# Altium PCB drac_v3.PcbDoc (part 1 of 5) (continued)
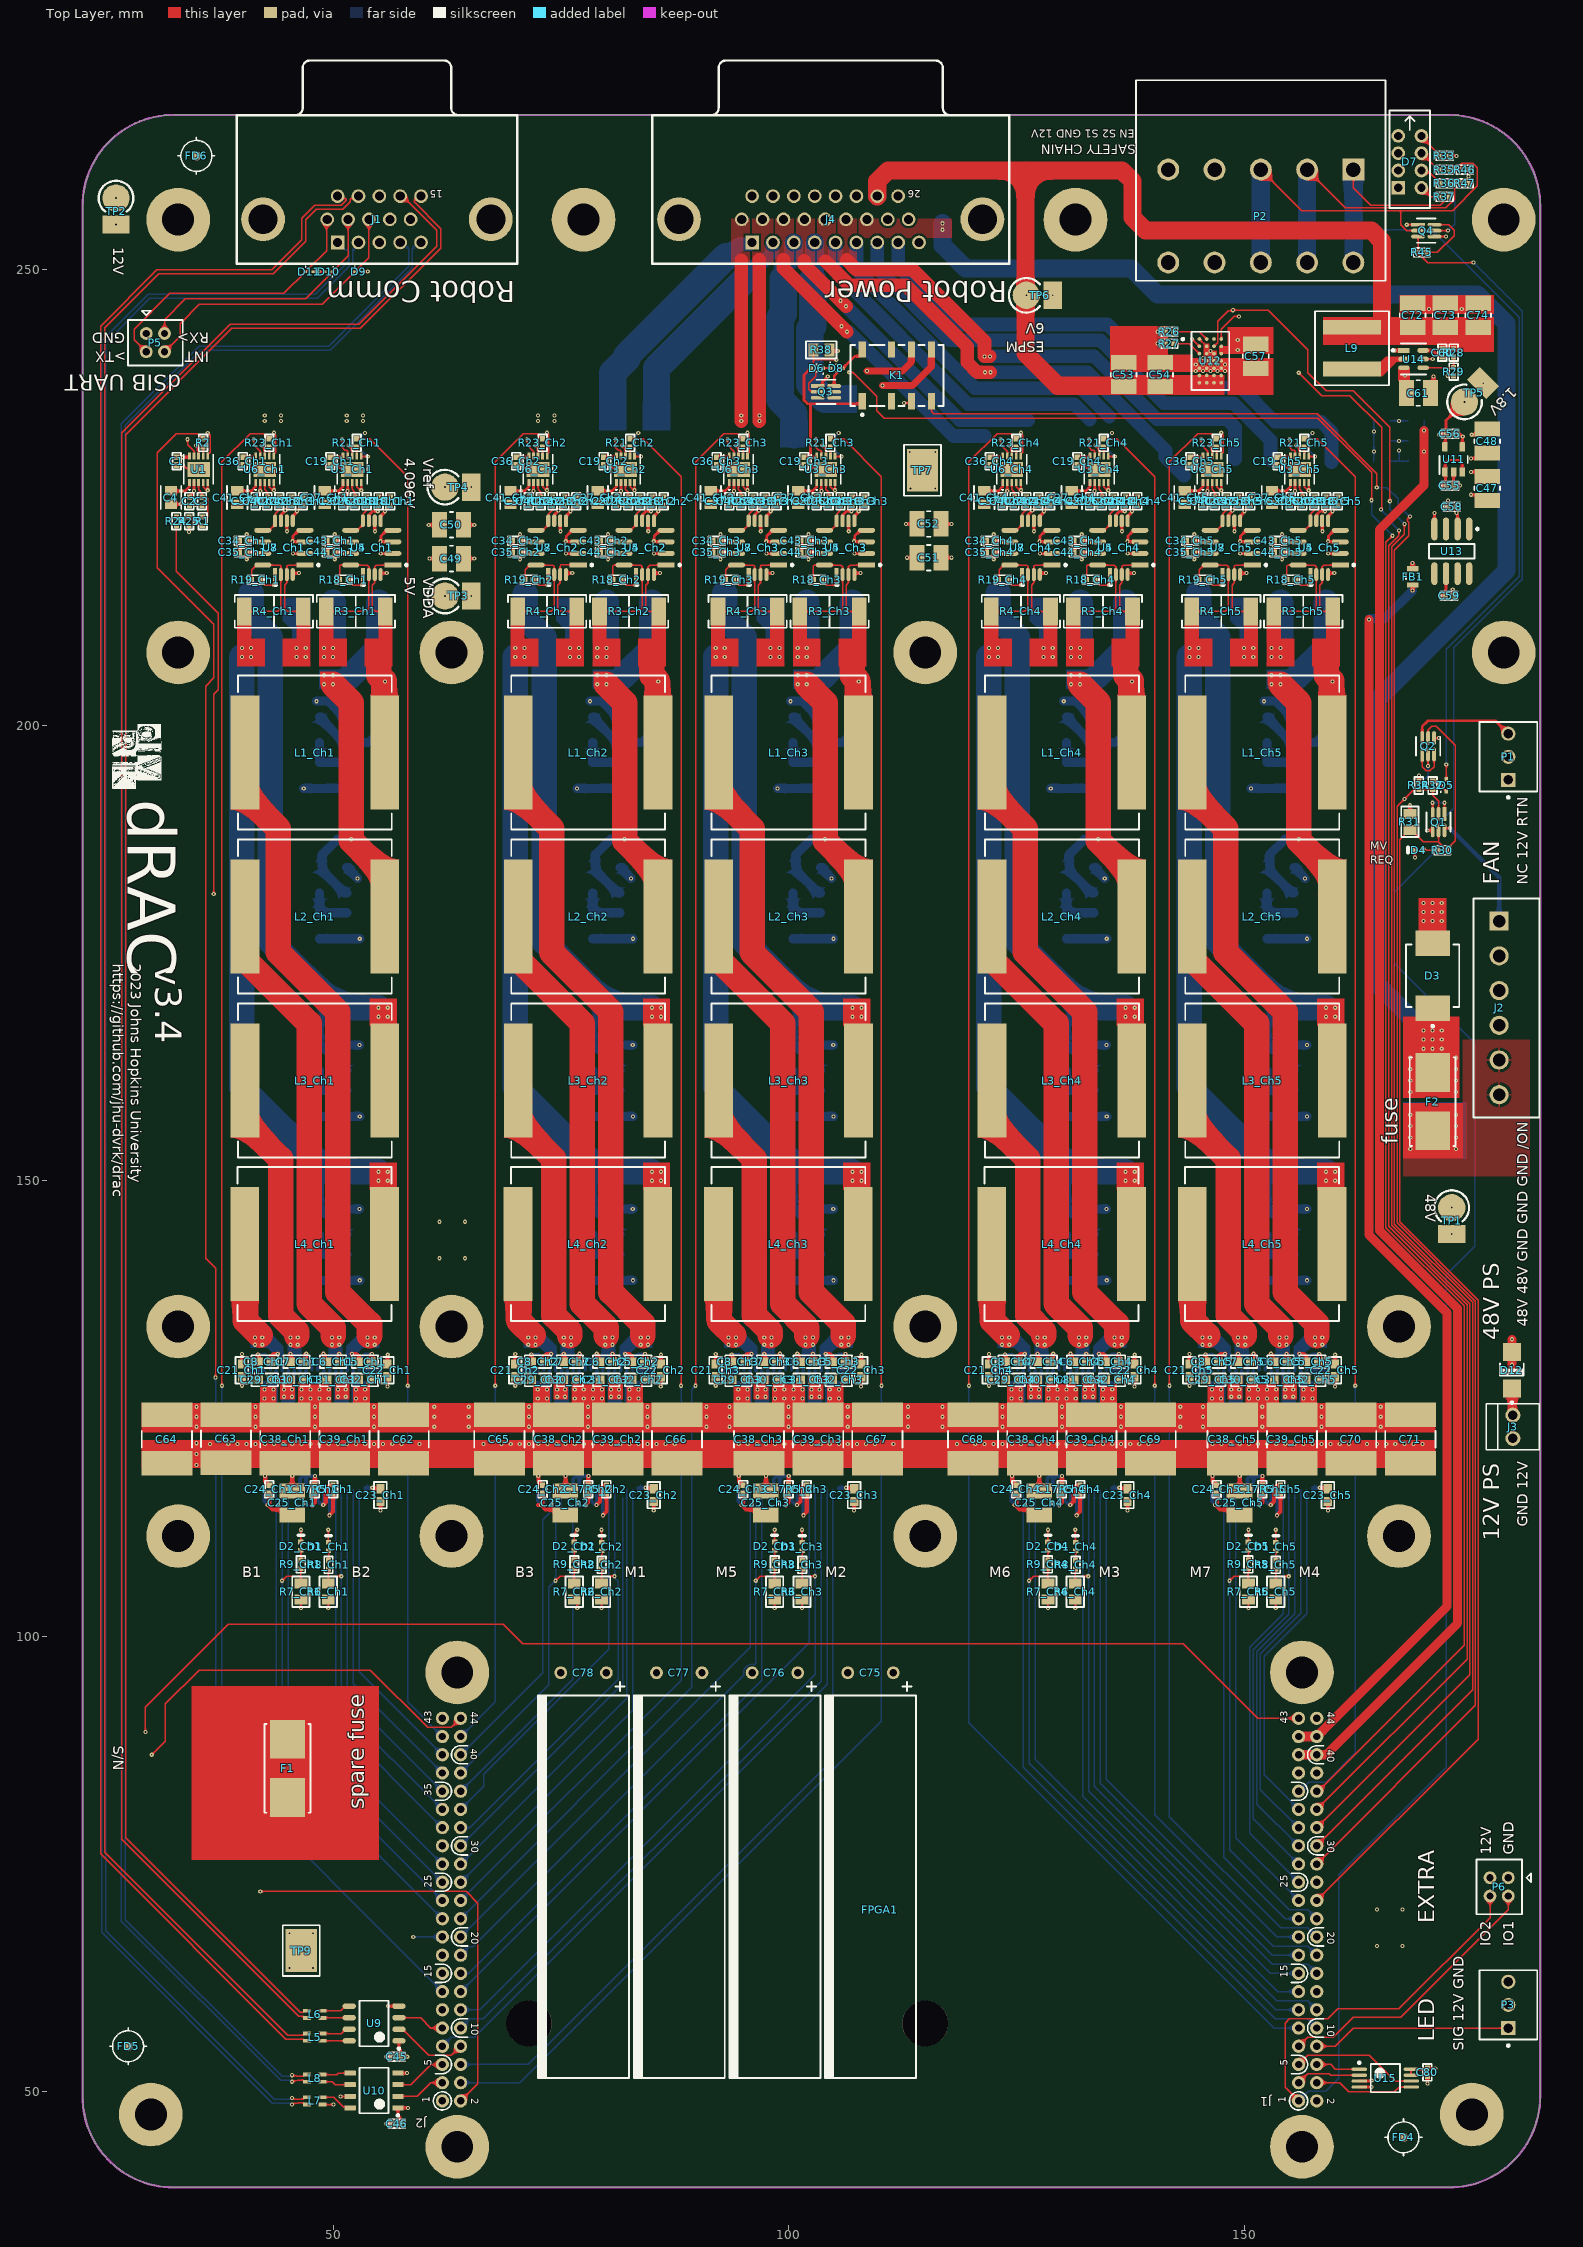
[diagram p0: Top Layer view]
## Components (designator, comment, footprint, x,y, rotation, side; value= is the part's Value field where it differs from the comment) (continued)
C19_Ch2 "0.1µF" FP-GRM155-0_05-IPC_B 79.7,229 r270 top (schematic designator C19)
C19_Ch3 "0.1µF" FP-GRM155-0_05-IPC_B 101.7,229 r270 top (schematic designator C19)
C19_Ch4 "0.1µF" FP-GRM155-0_05-IPC_B 131.7,229 r270 top (schematic designator C19)
C19_Ch5 "0.1µF" FP-GRM155-0_05-IPC_B 153.7,229 r270 top (schematic designator C19)
C20_Ch1 "0.1µF" FP-GRM155-0_05-IPC_B 51.1,224.6 r270 top (schematic designator C20)
C20_Ch2 "0.1µF" FP-GRM155-0_05-IPC_B 81.1,224.6 r270 top (schematic designator C20)
C20_Ch3 "0.1µF" FP-GRM155-0_05-IPC_B 103.1,224.6 r270 top (schematic designator C20)
C20_Ch4 "0.1µF" FP-GRM155-0_05-IPC_B 133.1,224.6 r270 top (schematic designator C20)
C20_Ch5 "0.1µF" FP-GRM155-0_05-IPC_B 155.1,224.6 r270 top (schematic designator C20)
C21_Ch1 "1µF" FP-GRM188-0_1-E0_2_0_55-IPC_B 40,129.2 r270 top (schematic designator C21)
C21_Ch2 "1µF" FP-GRM188-0_1-E0_2_0_55-IPC_B 70,129.2 r270 top (schematic designator C21)
C21_Ch3 "1µF" FP-GRM188-0_1-E0_2_0_55-IPC_B 92,129.2 r270 top (schematic designator C21)
C21_Ch4 "1µF" FP-GRM188-0_1-E0_2_0_55-IPC_B 122,129.2 r270 top (schematic designator C21)
C21_Ch5 "1µF" FP-GRM188-0_1-E0_2_0_55-IPC_B 144,129.2 r270 top (schematic designator C21)
C22_Ch1 "1µF" FP-GRM188-0_1-E0_2_0_55-IPC_B 55.964,129.2 r270 top (schematic designator C22)
C22_Ch2 "1µF" FP-GRM188-0_1-E0_2_0_55-IPC_B 85.964,129.2 r270 top (schematic designator C22)
C22_Ch3 "1µF" FP-GRM188-0_1-E0_2_0_55-IPC_B 107.964,129.2 r270 top (schematic designator C22)
C22_Ch4 "1µF" FP-GRM188-0_1-E0_2_0_55-IPC_B 137.964,129.2 r270 top (schematic designator C22)
C22_Ch5 "1µF" FP-GRM188-0_1-E0_2_0_55-IPC_B 159.964,129.2 r270 top (schematic designator C22)
C23_Ch1 "1µF" FP-GRM188-0_1-E0_2_0_55-IPC_B 55.2,115.5 r270 top (schematic designator C23)
C23_Ch2 "1µF" FP-GRM188-0_1-E0_2_0_55-IPC_B 85.2,115.5 r270 top (schematic designator C23)
C23_Ch3 "1µF" FP-GRM188-0_1-E0_2_0_55-IPC_B 107.2,115.5 r270 top (schematic designator C23)
C23_Ch4 "1µF" FP-GRM188-0_1-E0_2_0_55-IPC_B 137.2,115.5 r270 top (schematic designator C23)
C23_Ch5 "1µF" FP-GRM188-0_1-E0_2_0_55-IPC_B 159.2,115.5 r270 top (schematic designator C23)
C24_Ch1 "0.1µF" FP-GRM155-0_05-IPC_B 43,116.148 r90 top (schematic designator C24)
C24_Ch2 "0.1µF" FP-GRM155-0_05-IPC_B 73,116.148 r90 top (schematic designator C24)
C24_Ch3 "0.1µF" FP-GRM155-0_05-IPC_B 95,116.148 r90 top (schematic designator C24)
C24_Ch4 "0.1µF" FP-GRM155-0_05-IPC_B 125,116.148 r90 top (schematic designator C24)
C24_Ch5 "0.1µF" FP-GRM155-0_05-IPC_B 147,116.148 r90 top (schematic designator C24)
C25_Ch1 "CL32B226MOJNNNE" FP-CL32-IPC_B 45.5,114.648 r90 top (schematic designator C25)
C25_Ch2 "CL32B226MOJNNNE" FP-CL32-IPC_B 75.5,114.648 r90 top (schematic designator C25)
C25_Ch3 "CL32B226MOJNNNE" FP-CL32-IPC_B 97.5,114.648 r90 top (schematic designator C25)
C25_Ch4 "CL32B226MOJNNNE" FP-CL32-IPC_B 127.5,114.648 r90 top (schematic designator C25)
C25_Ch5 "CL32B226MOJNNNE" FP-CL32-IPC_B 149.5,114.648 r90 top (schematic designator C25)
C26_Ch1 "1nF" FP-GRM155-0_05-IPC_B 52.4,224.6 r270 top (schematic designator C26)
C26_Ch2 "1nF" FP-GRM155-0_05-IPC_B 82.4,224.6 r270 top (schematic designator C26)
C26_Ch3 "1nF" FP-GRM155-0_05-IPC_B 104.4,224.6 r270 top (schematic designator C26)
C26_Ch4 "1nF" FP-GRM155-0_05-IPC_B 134.4,224.6 r270 top (schematic designator C26)
C26_Ch5 "1nF" FP-GRM155-0_05-IPC_B 156.4,224.6 r270 top (schematic designator C26)
C27_Ch1 "CL21B106KQQNNNG" FP-CL21-IPC_C 49.07,225 r270 top (schematic designator C27)
C27_Ch2 "CL21B106KQQNNNG" FP-CL21-IPC_C 79.07,225 r270 top (schematic designator C27)
C27_Ch3 "CL21B106KQQNNNG" FP-CL21-IPC_C 101.07,225 r270 top (schematic designator C27)
C27_Ch4 "CL21B106KQQNNNG" FP-CL21-IPC_C 131.07,225 r270 top (schematic designator C27)
C27_Ch5 "CL21B106KQQNNNG" FP-CL21-IPC_C 153.07,225 r270 top (schematic designator C27)
C28_Ch1 "0.1µF" FP-GRM155-0_05-IPC_B 55,224.6 r90 top (schematic designator C28)
C28_Ch2 "0.1µF" FP-GRM155-0_05-IPC_B 85,224.6 r90 top (schematic designator C28)
C28_Ch3 "0.1µF" FP-GRM155-0_05-IPC_B 107,224.6 r90 top (schematic designator C28)
C28_Ch4 "0.1µF" FP-GRM155-0_05-IPC_B 137,224.6 r90 top (schematic designator C28)
C28_Ch5 "0.1µF" FP-GRM155-0_05-IPC_B 159,224.6 r90 top (schematic designator C28)
C29_Ch1 "0.1µF" FP-GRM188-0_1-E0_2_0_55-IPC_B 42.5,128.148 r0 top (schematic designator C29)
C29_Ch2 "0.1µF" FP-GRM188-0_1-E0_2_0_55-IPC_B 72.5,128.148 r0 top (schematic designator C29)
C29_Ch3 "0.1µF" FP-GRM188-0_1-E0_2_0_55-IPC_B 94.5,128.148 r0 top (schematic designator C29)
C29_Ch4 "0.1µF" FP-GRM188-0_1-E0_2_0_55-IPC_B 124.5,128.148 r0 top (schematic designator C29)
C29_Ch5 "0.1µF" FP-GRM188-0_1-E0_2_0_55-IPC_B 146.5,128.148 r0 top (schematic designator C29)
C30_Ch1 "0.1µF" FP-GRM188-0_1-E0_2_0_55-IPC_B 46,128.148 r180 top (schematic designator C30)
C30_Ch2 "0.1µF" FP-GRM188-0_1-E0_2_0_55-IPC_B 76,128.148 r180 top (schematic designator C30)
C30_Ch3 "0.1µF" FP-GRM188-0_1-E0_2_0_55-IPC_B 98,128.148 r180 top (schematic designator C30)
C30_Ch4 "0.1µF" FP-GRM188-0_1-E0_2_0_55-IPC_B 128,128.148 r180 top (schematic designator C30)
C30_Ch5 "0.1µF" FP-GRM188-0_1-E0_2_0_55-IPC_B 150,128.148 r180 top (schematic designator C30)
C31_Ch1 "0.1µF" FP-GRM188-0_1-E0_2_0_55-IPC_B 50,128.148 r0 top (schematic designator C31)
C31_Ch2 "0.1µF" FP-GRM188-0_1-E0_2_0_55-IPC_B 80,128.148 r0 top (schematic designator C31)
C31_Ch3 "0.1µF" FP-GRM188-0_1-E0_2_0_55-IPC_B 102,128.148 r0 top (schematic designator C31)
C31_Ch4 "0.1µF" FP-GRM188-0_1-E0_2_0_55-IPC_B 132,128.148 r0 top (schematic designator C31)
C31_Ch5 "0.1µF" FP-GRM188-0_1-E0_2_0_55-IPC_B 154,128.148 r0 top (schematic designator C31)
C32_Ch1 "0.1µF" FP-GRM188-0_1-E0_2_0_55-IPC_B 53.5,128.148 r180 top (schematic designator C32)
C32_Ch2 "0.1µF" FP-GRM188-0_1-E0_2_0_55-IPC_B 83.5,128.148 r180 top (schematic designator C32)
C32_Ch3 "0.1µF" FP-GRM188-0_1-E0_2_0_55-IPC_B 105.5,128.148 r180 top (schematic designator C32)
C32_Ch4 "0.1µF" FP-GRM188-0_1-E0_2_0_55-IPC_B 135.5,128.148 r180 top (schematic designator C32)
C32_Ch5 "0.1µF" FP-GRM188-0_1-E0_2_0_55-IPC_B 157.5,128.148 r180 top (schematic designator C32)
C33_Ch1 "0.1µF" FP-GRM155-0_05-IPC_B 46.7,224.6 r90 top (schematic designator C33)
C33_Ch2 "0.1µF" FP-GRM155-0_05-IPC_B 76.7,224.6 r90 top (schematic designator C33)
C33_Ch3 "0.1µF" FP-GRM155-0_05-IPC_B 98.7,224.6 r90 top (schematic designator C33)
C33_Ch4 "0.1µF" FP-GRM155-0_05-IPC_B 128.7,224.6 r90 top (schematic designator C33)
C33_Ch5 "0.1µF" FP-GRM155-0_05-IPC_B 150.7,224.6 r90 top (schematic designator C33)
C34_Ch1 "0.1µF" FP-GRM155-0_05-IPC_B 40.1,220.25 r180 top (schematic designator C34)
C34_Ch2 "0.1µF" FP-GRM155-0_05-IPC_B 70.1,220.25 r180 top (schematic designator C34)
C34_Ch3 "0.1µF" FP-GRM155-0_05-IPC_B 92.1,220.25 r180 top (schematic designator C34)
C34_Ch4 "0.1µF" FP-GRM155-0_05-IPC_B 122.1,220.25 r180 top (schematic designator C34)
C34_Ch5 "0.1µF" FP-GRM155-0_05-IPC_B 144.1,220.25 r180 top (schematic designator C34)
C35_Ch1 "0.1µF" FP-GRM155-0_05-IPC_B 40.1,219 r180 top (schematic designator C35)
C35_Ch2 "0.1µF" FP-GRM155-0_05-IPC_B 70.1,219 r180 top (schematic designator C35)
C35_Ch3 "0.1µF" FP-GRM155-0_05-IPC_B 92.1,219 r180 top (schematic designator C35)
C35_Ch4 "0.1µF" FP-GRM155-0_05-IPC_B 122.1,219 r180 top (schematic designator C35)
C35_Ch5 "0.1µF" FP-GRM155-0_05-IPC_B 144.1,219 r180 top (schematic designator C35)
C36_Ch1 "0.1µF" FP-GRM155-0_05-IPC_B 40.1,229 r270 top (schematic designator C36)
C36_Ch2 "0.1µF" FP-GRM155-0_05-IPC_B 70.1,229 r270 top (schematic designator C36)
C36_Ch3 "0.1µF" FP-GRM155-0_05-IPC_B 92.1,229 r270 top (schematic designator C36)
C36_Ch4 "0.1µF" FP-GRM155-0_05-IPC_B 122.1,229 r270 top (schematic designator C36)
C36_Ch5 "0.1µF" FP-GRM155-0_05-IPC_B 144.1,229 r270 top (schematic designator C36)
C37_Ch1 "0.1µF" FP-GRM155-0_05-IPC_B 41.5,224.6 r270 top (schematic designator C37)
C37_Ch2 "0.1µF" FP-GRM155-0_05-IPC_B 71.5,224.6 r270 top (schematic designator C37)
C37_Ch3 "0.1µF" FP-GRM155-0_05-IPC_B 93.5,224.6 r270 top (schematic designator C37)
C37_Ch4 "0.1µF" FP-GRM155-0_05-IPC_B 123.5,224.6 r270 top (schematic designator C37)
C37_Ch5 "0.1µF" FP-GRM155-0_05-IPC_B 145.5,224.6 r270 top (schematic designator C37)
C38_Ch1 "KRM55WR72A226MH01L" FP-KRM55W-6_1_5_3_6_7_1_2-MFG 44.75,121.648 r270 top (schematic designator C38)
C38_Ch2 "KRM55WR72A226MH01L" FP-KRM55W-6_1_5_3_6_7_1_2-MFG 74.75,121.648 r270 top (schematic designator C38)
C38_Ch3 "KRM55WR72A226MH01L" FP-KRM55W-6_1_5_3_6_7_1_2-MFG 96.75,121.648 r270 top (schematic designator C38)
C38_Ch4 "KRM55WR72A226MH01L" FP-KRM55W-6_1_5_3_6_7_1_2-MFG 126.75,121.648 r270 top (schematic designator C38)
C38_Ch5 "KRM55WR72A226MH01L" FP-KRM55W-6_1_5_3_6_7_1_2-MFG 148.75,121.648 r270 top (schematic designator C38)
C39_Ch1 "KRM55WR72A226MH01L" FP-KRM55W-6_1_5_3_6_7_1_2-MFG 51.25,121.648 r270 top (schematic designator C39)
C39_Ch2 "KRM55WR72A226MH01L" FP-KRM55W-6_1_5_3_6_7_1_2-MFG 81.25,121.648 r270 top (schematic designator C39)
C39_Ch3 "KRM55WR72A226MH01L" FP-KRM55W-6_1_5_3_6_7_1_2-MFG 103.25,121.648 r270 top (schematic designator C39)
C39_Ch4 "KRM55WR72A226MH01L" FP-KRM55W-6_1_5_3_6_7_1_2-MFG 133.25,121.648 r270 top (schematic designator C39)
C39_Ch5 "KRM55WR72A226MH01L" FP-KRM55W-6_1_5_3_6_7_1_2-MFG 155.25,121.648 r270 top (schematic designator C39)
C40_Ch1 "1nF" FP-GRM155-0_05-IPC_B 42.8,224.6 r270 top (schematic designator C40)
C40_Ch2 "1nF" FP-GRM155-0_05-IPC_B 72.8,224.6 r270 top (schematic designator C40)
C40_Ch3 "1nF" FP-GRM155-0_05-IPC_B 94.8,224.6 r270 top (schematic designator C40)
C40_Ch4 "1nF" FP-GRM155-0_05-IPC_B 124.8,224.6 r270 top (schematic designator C40)
C40_Ch5 "1nF" FP-GRM155-0_05-IPC_B 146.8,224.6 r270 top (schematic designator C40)
C41_Ch1 "CL21B106KQQNNNG" FP-CL21-IPC_C 39.47,225 r270 top (schematic designator C41)
C41_Ch2 "CL21B106KQQNNNG" FP-CL21-IPC_C 69.47,225 r270 top (schematic designator C41)
C41_Ch3 "CL21B106KQQNNNG" FP-CL21-IPC_C 91.47,225 r270 top (schematic designator C41)
C41_Ch4 "CL21B106KQQNNNG" FP-CL21-IPC_C 121.47,225 r270 top (schematic designator C41)
C41_Ch5 "CL21B106KQQNNNG" FP-CL21-IPC_C 143.47,225 r270 top (schematic designator C41)
C42_Ch1 "0.1µF" FP-GRM155-0_05-IPC_B 45.4,224.6 r90 top (schematic designator C42)
C42_Ch2 "0.1µF" FP-GRM155-0_05-IPC_B 75.4,224.6 r90 top (schematic designator C42)
C42_Ch3 "0.1µF" FP-GRM155-0_05-IPC_B 97.4,224.6 r90 top (schematic designator C42)
C42_Ch4 "0.1µF" FP-GRM155-0_05-IPC_B 127.4,224.6 r90 top (schematic designator C42)
C42_Ch5 "0.1µF" FP-GRM155-0_05-IPC_B 149.4,224.6 r90 top (schematic designator C42)
C43_Ch1 "0.1µF" FP-GRM155-0_05-IPC_B 49.75,220.25 r180 top (schematic designator C43)
C43_Ch2 "0.1µF" FP-GRM155-0_05-IPC_B 79.75,220.25 r180 top (schematic designator C43)
C43_Ch3 "0.1µF" FP-GRM155-0_05-IPC_B 101.75,220.25 r180 top (schematic designator C43)
C43_Ch4 "0.1µF" FP-GRM155-0_05-IPC_B 131.75,220.25 r180 top (schematic designator C43)
C43_Ch5 "0.1µF" FP-GRM155-0_05-IPC_B 153.75,220.25 r180 top (schematic designator C43)
C44_Ch1 "0.1µF" FP-GRM155-0_05-IPC_B 49.75,219 r180 top (schematic designator C44)
C44_Ch2 "0.1µF" FP-GRM155-0_05-IPC_B 79.75,219 r180 top (schematic designator C44)
C44_Ch3 "0.1µF" FP-GRM155-0_05-IPC_B 101.75,219 r180 top (schematic designator C44)
C44_Ch4 "0.1µF" FP-GRM155-0_05-IPC_B 131.75,219 r180 top (schematic designator C44)
C44_Ch5 "0.1µF" FP-GRM155-0_05-IPC_B 153.75,219 r180 top (schematic designator C44)
C45 "0.1µF" FP-GRM155-0_05-IPC_B 57,53.843 r0 top
C46 "0.1µF" FP-GRM155-0_05-IPC_B 57,46.5 r0 top
C47 "CL32B226MOJNNNE" FP-CL32-IPC_B 176.679,226 r270 top
C48 "CL32B226MOJNNNE" FP-CL32-IPC_B 176.7,231.2 r90 top
C49 "CL32B226MOJNNNE" FP-CL32-IPC_B 63,218.3 r0 top
C50 "CL32B226MOJNNNE" FP-CL32-IPC_B 63,222 r0 top
C51 "CL32B226MOJNNNE" FP-CL32-IPC_B 115.4,218.4 r0 top
C52 "CL32B226MOJNNNE" FP-CL32-IPC_B 115.4,222.1 r0 top
C53 "CL32B226MOJNNNE" FP-CL32-IPC_B 136.8,238.5 r90 top
C54 "CL32B226MOJNNNE" FP-CL32-IPC_B 140.8,238.5 r90 top
C55 "1µF" FP-GRM155-0_05-IPC_B 172.6,226.3 r180 top
C56 "1µF" FP-GRM155-0_05-IPC_B 172.6,231.977 r180 top
C57 "CL32B226MOJNNNE" FP-CL32-IPC_B 151.3,240.5 r270 top
C58 "1µF" FP-GRM155-0_05-IPC_B 172.8,223.977 r0 top
C59 "1µF" FP-GRM155-0_05-IPC_B 172.5,214.223 r180 top
C60 "0.1µF" FP-GRM155-0_05-IPC_B 171.75,240.9 r90 top
C61 "CL32B226MOJNNNE" FP-CL32-IPC_B 169.139,236.474 r0 top
C62 "KRM55WR72A226MH01L" FP-KRM55W-6_1_5_3_6_7_1_2-MFG 57.75,121.648 r270 top
C63 "KRM55WR72A226MH01L" FP-KRM55W-6_1_5_3_6_7_1_2-MFG 38.25,121.683 r270 top
C64 "KRM55WR72A226MH01L" FP-KRM55W-6_1_5_3_6_7_1_2-MFG 31.75,121.648 r270 top
C65 "KRM55WR72A226MH01L" FP-KRM55W-6_1_5_3_6_7_1_2-MFG 68.25,121.648 r270 top
C66 "KRM55WR72A226MH01L" FP-KRM55W-6_1_5_3_6_7_1_2-MFG 87.75,121.648 r270 top
C67 "KRM55WR72A226MH01L" FP-KRM55W-6_1_5_3_6_7_1_2-MFG 109.75,121.648 r270 top
C68 "KRM55WR72A226MH01L" FP-KRM55W-6_1_5_3_6_7_1_2-MFG 120.25,121.648 r270 top
C69 "KRM55WR72A226MH01L" FP-KRM55W-6_1_5_3_6_7_1_2-MFG 139.75,121.648 r270 top
C70 "KRM55WR72A226MH01L" FP-KRM55W-6_1_5_3_6_7_1_2-MFG 161.75,121.648 r270 top
C71 "KRM55WR72A226MH01L" FP-KRM55W-6_1_5_3_6_7_1_2-MFG 168.25,121.648 r270 top
C72 "CL32B226MOJNNNE" FP-CL32-IPC_B 168.5,245 r90 top
C73 "CL32B226MOJNNNE" FP-CL32-IPC_B 172.106,245 r90 top
C74 "CL32B226MOJNNNE" FP-CL32-IPC_B 175.712,245 r90 top
C75 "Value" 100TXW220MEFC10X40_horizontal 111.5,96 r180 top
C76 "Value" 100TXW220MEFC10X40_horizontal 101,96 r180 top
C77 "Value" 100TXW220MEFC10X40_horizontal 90.5,96 r180 top
C78 "Value" 100TXW220MEFC10X40_horizontal 80,96 r180 top
C80 "0.1µF" FP-GRM155-0_05-IPC_B 170.133,52.143 r270 top
D1_Ch1 "LED_0402" ROHM-SML-P11MT_V 49.5,109.852 r90 top (schematic designator D1)
D1_Ch2 "LED_0402" ROHM-SML-P11MT_V 79.5,109.852 r90 top (schematic designator D1)
D1_Ch3 "LED_0402" ROHM-SML-P11MT_V 101.5,109.852 r90 top (schematic designator D1)
D1_Ch4 "LED_0402" ROHM-SML-P11MT_V 131.5,109.852 r90 top (schematic designator D1)
D1_Ch5 "LED_0402" ROHM-SML-P11MT_V 153.5,109.852 r90 top (schematic designator D1)
D2_Ch1 "LED_0402" ROHM-SML-P11MT_V 46.475,109.902 r90 top (schematic designator D2)
D2_Ch2 "LED_0402" ROHM-SML-P11MT_V 76.475,109.902 r90 top (schematic designator D2)
D2_Ch3 "LED_0402" ROHM-SML-P11MT_V 98.475,109.902 r90 top (schematic designator D2)
D2_Ch4 "LED_0402" ROHM-SML-P11MT_V 128.475,109.902 r90 top (schematic designator D2)
D2_Ch5 "LED_0402" ROHM-SML-P11MT_V 150.475,109.902 r90 top (schematic designator D2)
D3 "1SMC48AT3G" ONSC-SMC-2-403-03_V 170.7,172.5 r90 top
D4 "LED_0402" ROHM-SML-P11MT_V 169.2,186.3 r180 top
D5 "MM5Z15VT1G" ONSC-SOD-523-2-502-01_V 172.2,193.4 r90 top
D6 "MM5Z15VT1G" ONSC-SOD-523-2-502-01_V 103.1,239.2 r180 top
D7 "WP934SB/4GD" WP934SB/4GD 168.192,261.85 r270 top
D8 "MM5Z15VT1G" ONSC-SOD-523-2-502-01_V 105.26,239.2 r0 top
D9 "ESD9L3.3ST5G" ONSC-SOD-923-2-514AB-01_V 52.8,249.8 r0 top
D10 "ESD9L3.3ST5G" ONSC-SOD-923-2-514AB-01_V 49.5,249.8 r180 top
D11 "ESD9L3.3ST5G" ONSC-SOD-923-2-514AB-01_V 47.4,249.8 r0 top
D12 "1SMA12AT3G" ONSC-SMA-2-403D-02_F_V 179.4,129.2 r90 top
F1 "0154007.DRT" FP-0154-MFG 45,85.5 r90 top
F2 "0154007.DRT" FP-0154-MFG 170.7,158.7 r90 top
FB1 "BLM21AG102SN1D" FP-BLM21-0_2-t0_85-e0_5-MFG 168.5,216.3 r90 top
FD1 "FD" FD 32.5,262.5 r180 bottom
FD2 "FD" FD 30,55 r180 bottom
FD3 "FD" FD 167.5,45 r180 bottom
FD4 "FD" FD 167.5,45 r0 top
FD5 "FD" FD 27.5,55 r0 top
FD6 "FD" FD 35,262.5 r0 top
FPGA1 "Connect to FireWire FPGA" FPGA-dummy 156.345,96.035 r180 top
J1 "15p, Female" 618015325223 54.82,255.54 r180 top locked
J2 "691321300006" 691321300006 178.8,168.975 r270 top
J3 "Substitute with tyco 640457-2" HDR-2X1-100 179.5,123 r270 top
J4 "26p, Female" 618026325223 104.63,255.54 r180 top locked
K1 "G6K2GYDC3" FP-G6K2GYDC3-MFG 111.9,238.4 r0 top
L1_Ch1 "" SRP1770TA 48,197 r0 top value=33uH (schematic designator L1)
L1_Ch2 "" SRP1770TA 78,197 r0 top value=33uH (schematic designator L1)
L1_Ch3 "" SRP1770TA 100,197 r0 top value=33uH (schematic designator L1)
L1_Ch4 "" SRP1770TA 130,197 r0 top value=33uH (schematic designator L1)
L1_Ch5 "" SRP1770TA 152,197 r0 top value=33uH (schematic designator L1)
L2_Ch1 "" SRP1770TA 48,179 r0 top value=33uH (schematic designator L2)
L2_Ch2 "" SRP1770TA 78,179 r0 top value=33uH (schematic designator L2)
L2_Ch3 "" SRP1770TA 100,179 r0 top value=33uH (schematic designator L2)
L2_Ch4 "" SRP1770TA 130,179 r0 top value=33uH (schematic designator L2)
L2_Ch5 "" SRP1770TA 152,179 r0 top value=33uH (schematic designator L2)
L3_Ch1 "" SRP1770TA 48,161 r0 top value=33uH (schematic designator L3)
L3_Ch2 "" SRP1770TA 78,161 r0 top value=33uH (schematic designator L3)
L3_Ch3 "" SRP1770TA 100,161 r0 top value=33uH (schematic designator L3)
L3_Ch4 "" SRP1770TA 130,161 r0 top value=33uH (schematic designator L3)
L3_Ch5 "" SRP1770TA 152,161 r0 top value=33uH (schematic designator L3)
L4_Ch1 "" SRP1770TA 47.975,143.05 r0 top value=33uH (schematic designator L4)
L4_Ch2 "" SRP1770TA 77.975,143.05 r0 top value=33uH (schematic designator L4)
L4_Ch3 "" SRP1770TA 99.975,143.05 r0 top value=33uH (schematic designator L4)
L4_Ch4 "" SRP1770TA 129.975,143.05 r0 top value=33uH (schematic designator L4)
L4_Ch5 "" SRP1770TA 151.975,143.05 r0 top value=33uH (schematic designator L4)
L5 "744231371" WE-CNSW-0805 48,56 r180 top
L6 "744231371" WE-CNSW-0805 48,58.5 r180 top
L7 "744231371" WE-CNSW-0805 48,49 r180 top
L8 "744231371" WE-CNSW-0805 48,51.5 r180 top
L9 "4.7uH" INDUCTOR-XAL7030 161.845,241.4 r0 top
P1 "22-23-2031" MOLX-22-23-2031_V 179,196.54 r90 top
P2 "691331510010" 691331510010 151.84,259.8 r180 top
P3 "22-23-2031" MOLX-22-23-2031_V 179,59.54 r90 top
P5 "Header 2X2" DF11-4DP-2DSA 29.5,243 r0 top
P6 "Header 2X2" DF11-4DP-2DSA 179,73.5 r270 top
Q1 "DMN3190LDW-7" FP-SOT363-IPC_A 171.35,189.367 r270 top
Q2 "DMN3190LDW-7" FP-SOT363-IPC_A 170.2,197.7 r90 top
Q3 "DMN3190LDW-7" FP-SOT363-IPC_A 104.1,236.6 r0 top
Q4 "DMN3190LDW-7" FP-SOT363-IPC_A 170,254.3 r0 top
R1 "Res_0402" FP-CRCW0402-E3-IPC_B 35.7,222.4 r90 top value=200
R2 "Res_0402" FP-CRCW0402-E3-IPC_B 35.737,231 r270 top value=200
R3_Ch1 "Current sense resistor" "STACKPOLE CSR2512" 52.5,212.5 r180 top (schematic designator R3)
R3_Ch2 "Current sense resistor" "STACKPOLE CSR2512" 82.5,212.5 r180 top (schematic designator R3)
R3_Ch3 "Current sense resistor" "STACKPOLE CSR2512" 104.5,212.5 r180 top (schematic designator R3)
R3_Ch4 "Current sense resistor" "STACKPOLE CSR2512" 134.5,212.5 r180 top (schematic designator R3)
R3_Ch5 "Current sense resistor" "STACKPOLE CSR2512" 156.5,212.5 r180 top (schematic designator R3)
R4_Ch1 "Current sense resistor" "STACKPOLE CSR2512" 43.5,212.5 r0 top (schematic designator R4)
R4_Ch2 "Current sense resistor" "STACKPOLE CSR2512" 73.5,212.5 r0 top (schematic designator R4)
R4_Ch3 "Current sense resistor" "STACKPOLE CSR2512" 95.5,212.5 r0 top (schematic designator R4)
R4_Ch4 "Current sense resistor" "STACKPOLE CSR2512" 125.5,212.5 r0 top (schematic designator R4)
R4_Ch5 "Current sense resistor" "STACKPOLE CSR2512" 147.5,212.5 r0 top (schematic designator R4)
R5_Ch1 "Res_0402" FP-CRCW0402-E3-IPC_B 50,116.148 r90 top value=27k (schematic designator R5)
R5_Ch2 "Res_0402" FP-CRCW0402-E3-IPC_B 80,116.148 r90 top value=27k (schematic designator R5)
R5_Ch3 "Res_0402" FP-CRCW0402-E3-IPC_B 102,116.148 r90 top value=27k (schematic designator R5)
R5_Ch4 "Res_0402" FP-CRCW0402-E3-IPC_B 132,116.148 r90 top value=27k (schematic designator R5)
R5_Ch5 "Res_0402" FP-CRCW0402-E3-IPC_B 154,116.148 r90 top value=27k (schematic designator R5)
R6_Ch1 "Res_0805" FP-CRCW0805-HPE3-IPC_B 49.475,104.902 r90 top value=1k (schematic designator R6)
R6_Ch2 "Res_0805" FP-CRCW0805-HPE3-IPC_B 79.475,104.902 r90 top value=1k (schematic designator R6)
R6_Ch3 "Res_0805" FP-CRCW0805-HPE3-IPC_B 101.475,104.902 r90 top value=1k (schematic designator R6)
R6_Ch4 "Res_0805" FP-CRCW0805-HPE3-IPC_B 131.475,104.902 r90 top value=1k (schematic designator R6)
R6_Ch5 "Res_0805" FP-CRCW0805-HPE3-IPC_B 153.475,104.902 r90 top value=1k (schematic designator R6)
R7_Ch1 "Res_0805" FP-CRCW0805-HPE3-IPC_B 46.475,104.902 r90 top value=1k (schematic designator R7)
R7_Ch2 "Res_0805" FP-CRCW0805-HPE3-IPC_B 76.475,104.902 r90 top value=1k (schematic designator R7)
R7_Ch3 "Res_0805" FP-CRCW0805-HPE3-IPC_B 98.475,104.902 r90 top value=1k (schematic designator R7)
R7_Ch4 "Res_0805" FP-CRCW0805-HPE3-IPC_B 128.475,104.902 r90 top value=1k (schematic designator R7)
R7_Ch5 "Res_0805" FP-CRCW0805-HPE3-IPC_B 150.475,104.902 r90 top value=1k (schematic designator R7)
R8_Ch1 "Res_0402" FP-CRCW0402-E3-IPC_B 49.5,107.852 r270 top value=2.4K (schematic designator R8)
R8_Ch2 "Res_0402" FP-CRCW0402-E3-IPC_B 79.5,107.852 r270 top value=2.4K (schematic designator R8)
R8_Ch3 "Res_0402" FP-CRCW0402-E3-IPC_B 101.5,107.852 r270 top value=2.4K (schematic designator R8)
R8_Ch4 "Res_0402" FP-CRCW0402-E3-IPC_B 131.5,107.852 r270 top value=2.4K (schematic designator R8)
R8_Ch5 "Res_0402" FP-CRCW0402-E3-IPC_B 153.5,107.852 r270 top value=2.4K (schematic designator R8)
R9_Ch1 "Res_0402" FP-CRCW0402-E3-IPC_B 46.475,107.902 r270 top value=2.4K (schematic designator R9)
R9_Ch2 "Res_0402" FP-CRCW0402-E3-IPC_B 76.475,107.902 r270 top value=2.4K (schematic designator R9)
R9_Ch3 "Res_0402" FP-CRCW0402-E3-IPC_B 98.475,107.902 r270 top value=2.4K (schematic designator R9)
R9_Ch4 "Res_0402" FP-CRCW0402-E3-IPC_B 128.475,107.902 r270 top value=2.4K (schematic designator R9)
R9_Ch5 "Res_0402" FP-CRCW0402-E3-IPC_B 150.475,107.902 r270 top value=2.4K (schematic designator R9)
R10_Ch1 "Res_0402" RESC3216X70X50NL05T20 51.5,194.5 r90 bottom value=8.2 (schematic designator R10)
R10_Ch2 "Res_0402" RESC3216X70X50NL05T20 81.5,194.5 r90 bottom value=8.2 (schematic designator R10)
R10_Ch3 "Res_0402" RESC3216X70X50NL05T20 103.5,194.5 r90 bottom value=8.2 (schematic designator R10)
R10_Ch4 "Res_0402" RESC3216X70X50NL05T20 133.5,194.5 r90 bottom value=8.2 (schematic designator R10)
R10_Ch5 "Res_0402" RESC3216X70X50NL05T20 155.5,194.5 r90 bottom value=8.2 (schematic designator R10)
R11_Ch1 "Res_0402" RESC3216X70X50NL05T20 48.5,194.5 r90 bottom value=8.2 (schematic designator R11)
R11_Ch2 "Res_0402" RESC3216X70X50NL05T20 78.5,194.5 r90 bottom value=8.2 (schematic designator R11)
R11_Ch3 "Res_0402" RESC3216X70X50NL05T20 100.5,194.5 r90 bottom value=8.2 (schematic designator R11)
R11_Ch4 "Res_0402" RESC3216X70X50NL05T20 130.5,194.5 r90 bottom value=8.2 (schematic designator R11)
R11_Ch5 "Res_0402" RESC3216X70X50NL05T20 152.5,194.5 r90 bottom value=8.2 (schematic designator R11)
R12_Ch1 "Res_0402" RESC3216X70X50NL05T20 51.5,178 r90 bottom value=8.2 (schematic designator R12)
R12_Ch2 "Res_0402" RESC3216X70X50NL05T20 81.5,178 r90 bottom value=8.2 (schematic designator R12)
R12_Ch3 "Res_0402" RESC3216X70X50NL05T20 103.5,178 r90 bottom value=8.2 (schematic designator R12)
R12_Ch4 "Res_0402" RESC3216X70X50NL05T20 133.5,178 r90 bottom value=8.2 (schematic designator R12)
R12_Ch5 "Res_0402" RESC3216X70X50NL05T20 155.5,178 r90 bottom value=8.2 (schematic designator R12)
R13_Ch1 "Res_0402" RESC3216X70X50NL05T20 48.5,178 r90 bottom value=8.2 (schematic designator R13)
R13_Ch2 "Res_0402" RESC3216X70X50NL05T20 78.5,178 r90 bottom value=8.2 (schematic designator R13)
R13_Ch3 "Res_0402" RESC3216X70X50NL05T20 100.5,178 r90 bottom value=8.2 (schematic designator R13)
R13_Ch4 "Res_0402" RESC3216X70X50NL05T20 130.5,178 r90 bottom value=8.2 (schematic designator R13)
R13_Ch5 "Res_0402" RESC3216X70X50NL05T20 152.5,178 r90 bottom value=8.2 (schematic designator R13)
R14_Ch1 "Res_0402" RESC3216X70X50NL05T20 51.5,158.5 r90 bottom value=8.2 (schematic designator R14)
R14_Ch2 "Res_0402" RESC3216X70X50NL05T20 81.5,158.5 r90 bottom value=8.2 (schematic designator R14)
R14_Ch3 "Res_0402" RESC3216X70X50NL05T20 103.5,158.5 r90 bottom value=8.2 (schematic designator R14)
R14_Ch4 "Res_0402" RESC3216X70X50NL05T20 133.5,158.5 r90 bottom value=8.2 (schematic designator R14)
R14_Ch5 "Res_0402" RESC3216X70X50NL05T20 155.5,158.5 r90 bottom value=8.2 (schematic designator R14)
R15_Ch1 "Res_0402" RESC3216X70X50NL05T20 48.5,158.5 r90 bottom value=8.2 (schematic designator R15)
R15_Ch2 "Res_0402" RESC3216X70X50NL05T20 78.5,158.5 r90 bottom value=8.2 (schematic designator R15)
R15_Ch3 "Res_0402" RESC3216X70X50NL05T20 100.5,158.5 r90 bottom value=8.2 (schematic designator R15)
R15_Ch4 "Res_0402" RESC3216X70X50NL05T20 130.5,158.5 r90 bottom value=8.2 (schematic designator R15)
R15_Ch5 "Res_0402" RESC3216X70X50NL05T20 152.5,158.5 r90 bottom value=8.2 (schematic designator R15)
R16_Ch1 "Res_0402" RESC3216X70X50NL05T20 51.5,140.5 r90 bottom value=8.2 (schematic designator R16)
R16_Ch2 "Res_0402" RESC3216X70X50NL05T20 81.5,140.5 r90 bottom value=8.2 (schematic designator R16)
R16_Ch3 "Res_0402" RESC3216X70X50NL05T20 103.5,140.5 r90 bottom value=8.2 (schematic designator R16)
R16_Ch4 "Res_0402" RESC3216X70X50NL05T20 133.5,140.5 r90 bottom value=8.2 (schematic designator R16)
R16_Ch5 "Res_0402" RESC3216X70X50NL05T20 155.5,140.5 r90 bottom value=8.2 (schematic designator R16)
R17_Ch1 "Res_0402" RESC3216X70X50NL05T20 48.5,140.5 r90 bottom value=8.2 (schematic designator R17)
R17_Ch2 "Res_0402" RESC3216X70X50NL05T20 78.5,140.5 r90 bottom value=8.2 (schematic designator R17)
R17_Ch3 "Res_0402" RESC3216X70X50NL05T20 100.5,140.5 r90 bottom value=8.2 (schematic designator R17)
R17_Ch4 "Res_0402" RESC3216X70X50NL05T20 130.5,140.5 r90 bottom value=8.2 (schematic designator R17)
R17_Ch5 "Res_0402" RESC3216X70X50NL05T20 152.5,140.5 r90 bottom value=8.2 (schematic designator R17)
R18_Ch1 "Res_0402" FP-CRCW0402-E3-IPC_B 51.162,216 r180 top value=1M (schematic designator R18)
R18_Ch2 "Res_0402" FP-CRCW0402-E3-IPC_B 81.162,216 r180 top value=1M (schematic designator R18)
R18_Ch3 "Res_0402" FP-CRCW0402-E3-IPC_B 103.162,216 r180 top value=1M (schematic designator R18)
R18_Ch4 "Res_0402" FP-CRCW0402-E3-IPC_B 133.162,216 r180 top value=1M (schematic designator R18)
R18_Ch5 "Res_0402" FP-CRCW0402-E3-IPC_B 155.162,216 r180 top value=1M (schematic designator R18)
R19_Ch1 "Res_0402" FP-CRCW0402-E3-IPC_B 41.512,216 r180 top value=1M (schematic designator R19)
R19_Ch2 "Res_0402" FP-CRCW0402-E3-IPC_B 71.512,216 r180 top value=1M (schematic designator R19)
R19_Ch3 "Res_0402" FP-CRCW0402-E3-IPC_B 93.512,216 r180 top value=1M (schematic designator R19)
R19_Ch4 "Res_0402" FP-CRCW0402-E3-IPC_B 123.512,216 r180 top value=1M (schematic designator R19)
R19_Ch5 "Res_0402" FP-CRCW0402-E3-IPC_B 145.512,216 r180 top value=1M (schematic designator R19)
R20_Ch1 "Res_0402" FP-CRCW0402-E3-IPC_B 53.7,224.6 r90 top value=200 (schematic designator R20)
R20_Ch2 "Res_0402" FP-CRCW0402-E3-IPC_B 83.7,224.6 r90 top value=200 (schematic designator R20)
R20_Ch3 "Res_0402" FP-CRCW0402-E3-IPC_B 105.7,224.6 r90 top value=200 (schematic designator R20)
R20_Ch4 "Res_0402" FP-CRCW0402-E3-IPC_B 135.7,224.6 r90 top value=200 (schematic designator R20)
R20_Ch5 "Res_0402" FP-CRCW0402-E3-IPC_B 157.7,224.6 r90 top value=200 (schematic designator R20)
R21_Ch1 "Res_0402" FP-CRCW0402-E3-IPC_B 52.6,231 r270 top value=200 (schematic designator R21)
R21_Ch2 "Res_0402" FP-CRCW0402-E3-IPC_B 82.6,231 r270 top value=200 (schematic designator R21)
R21_Ch3 "Res_0402" FP-CRCW0402-E3-IPC_B 104.6,231 r270 top value=200 (schematic designator R21)
R21_Ch4 "Res_0402" FP-CRCW0402-E3-IPC_B 134.6,231 r270 top value=200 (schematic designator R21)
R21_Ch5 "Res_0402" FP-CRCW0402-E3-IPC_B 156.6,231 r270 top value=200 (schematic designator R21)
R22_Ch1 "Res_0402" FP-CRCW0402-E3-IPC_B 44.1,224.6 r90 top value=200 (schematic designator R22)
R22_Ch2 "Res_0402" FP-CRCW0402-E3-IPC_B 74.1,224.6 r90 top value=200 (schematic designator R22)
R22_Ch3 "Res_0402" FP-CRCW0402-E3-IPC_B 96.1,224.6 r90 top value=200 (schematic designator R22)
R22_Ch4 "Res_0402" FP-CRCW0402-E3-IPC_B 126.1,224.6 r90 top value=200 (schematic designator R22)
R22_Ch5 "Res_0402" FP-CRCW0402-E3-IPC_B 148.1,224.6 r90 top value=200 (schematic designator R22)
R23_Ch1 "Res_0402" FP-CRCW0402-E3-IPC_B 43,231 r270 top value=200 (schematic designator R23)
R23_Ch2 "Res_0402" FP-CRCW0402-E3-IPC_B 73,231 r270 top value=200 (schematic designator R23)
R23_Ch3 "Res_0402" FP-CRCW0402-E3-IPC_B 95,231 r270 top value=200 (schematic designator R23)
R23_Ch4 "Res_0402" FP-CRCW0402-E3-IPC_B 125,231 r270 top value=200 (schematic designator R23)
R23_Ch5 "Res_0402" FP-CRCW0402-E3-IPC_B 147,231 r270 top value=200 (schematic designator R23)
R24 "Res_0402" FP-CRCW0402-E3-IPC_B 32.8,222.4 r270 top value=200k
R25 "Res_0402" FP-CRCW0402-E3-IPC_B 34.2,222.4 r90 top value=10k
R26 "Res_0402" FP-CRCW0402-E3-IPC_B 141.8,243.2 r0 top value=36.5k
R27 "Res_0402" FP-CRCW0402-E3-IPC_B 141.8,241.9 r180 top value=20.5k
R28 "Res_0402" FP-CRCW0402-E3-IPC_B 173,240.9 r270 top value=68.1k
R29 "Res_0402" FP-CRCW0402-E3-IPC_B 173,238.826 r90 top value=10k
R30 "Res_0402" FP-CRCW0402-E3-IPC_B 171.748,186.3 r0 top value=2.4K
R31 "Res_0805" FP-CRCW0805-HPE3-IPC_B 168.2,189.4 r270 top value=1k
R32 "Res_0402" FP-CRCW0402-E3-IPC_B 170.7,193.4 r90 top value=270k
R33 "Res_0402" FP-CRCW0402-E3-IPC_B 172,262.5 r0 top value=10k
R34 "Res_0402" FP-CRCW0402-E3-IPC_B 169.2,193.4 r270 top value=100k
R35 "Res_0402" FP-CRCW0402-E3-IPC_B 172,261 r0 top value=10k
R36 "Res_0402" FP-CRCW0402-E3-IPC_B 172,259.5 r0 top value=10k
R37 "Res_0402" FP-CRCW0402-E3-IPC_B 172,258 r0 top value=10k
R38 "Res_0805" FP-CRCW0805-HPE3-IPC_B 103.6,241.2 r180 top value=1k
R39 "Res_0805" FP-CRCW0805-HPE3-IPC_B 168.876,233.42 r0 bottom value=100
R40 "Res_0805" FP-CRCW0805-HPE3-IPC_B 168.876,229 r0 bottom value=100
R41 "Res_0805" FP-CRCW0805-HPE3-IPC_B 168.876,231.21 r0 bottom value=100
R42 "Res_0805" FP-CRCW0805-HPE3-IPC_B 165.124,233.42 r0 bottom value=100
R43 "Res_0805" FP-CRCW0805-HPE3-IPC_B 165.124,229 r0 bottom value=100
R44 "Res_0805" FP-CRCW0805-HPE3-IPC_B 165.124,231.21 r0 bottom value=100
R45 "Res_0402" FP-CRCW0402-e3-IPC_B 169.5,251.9 r180 top value=0
R46 "Res_0402" FP-CRCW0402-e3-IPC_B 174.2,261 r180 top value=10k
R47 "Res_0402" FP-CRCW0402-e3-IPC_B 174.2,259.5 r180 top value=10k
TP1 "test point" TP_GND 172.8,147.052 r0 top
TP2 "test point" TP_GND 26.175,257.875 r0 top
TP3 "test point" TP_GND 62.277,214.194 r90 top
TP4 "test point" TP_GND 62.277,226.144 r90 top
TP5 "test point" TP_GND 174.2,235.5 r135 top
TP6 "test point" TP_GND 126.1,247.2 r90 top
TP7 "5016" Testpoint_Keystone_Compact 114.7,228 r90 top
TP8 "5016" Testpoint_Keystone_Compact 166,68 r90 bottom
TP9 "5016" Testpoint_Keystone_Compact 46.5,65.5 r90 top
TP10 "5016" Testpoint_Keystone_Compact 63.1,143.5 r90 bottom
U1 "AD4008BCPZ-RL7" CP_10_9 35.237,228.1 r90 top value=Value
U2_Ch1 "DRV8432DKDR" DKD0036A_L_extra_clearance 48,122.648 r90 bottom (schematic designator U2)
U2_Ch2 "DRV8432DKDR" DKD0036A_L_extra_clearance 78,122.648 r90 bottom (schematic designator U2)
U2_Ch3 "DRV8432DKDR" DKD0036A_L_extra_clearance 100,122.648 r90 bottom (schematic designator U2)
U2_Ch4 "DRV8432DKDR" DKD0036A_L_extra_clearance 130,122.648 r90 bottom (schematic designator U2)
U2_Ch5 "DRV8432DKDR" DKD0036A_L_extra_clearance 152,122.648 r90 bottom (schematic designator U2)
U3_Ch1 "AD4008BCPZ-RL7" CP_10_9 52.1,228.1 r90 top value=Value (schematic designator U3)
U3_Ch2 "AD4008BCPZ-RL7" CP_10_9 82.1,228.1 r90 top value=Value (schematic designator U3)
U3_Ch3 "AD4008BCPZ-RL7" CP_10_9 104.1,228.1 r90 top value=Value (schematic designator U3)
U3_Ch4 "AD4008BCPZ-RL7" CP_10_9 134.1,228.1 r90 top value=Value (schematic designator U3)
U3_Ch5 "AD4008BCPZ-RL7" CP_10_9 156.1,228.1 r90 top value=Value (schematic designator U3)
U4_Ch1 "INA240A1PW" PW0008A_N 54.25,219.5 r90 top (schematic designator U4)
U4_Ch2 "INA240A1PW" PW0008A_N 84.25,219.5 r90 top (schematic designator U4)